# Altium PCB miniBackplane.PcbDoc (part 11 of 24)
Units mil, origin at the board's own origin, x right, y up, seen from the top; angles counter-clockwise.
Board outline 17285.63 x 8582.68 mil, 6 copper layers (Top Layer, Mid-Layer 1, GND, PWR, Mid-Layer 2, Bottom Layer), stack 62.362 mil thick; 519 components, 474 nets, 2434 pads, 1493 vias.
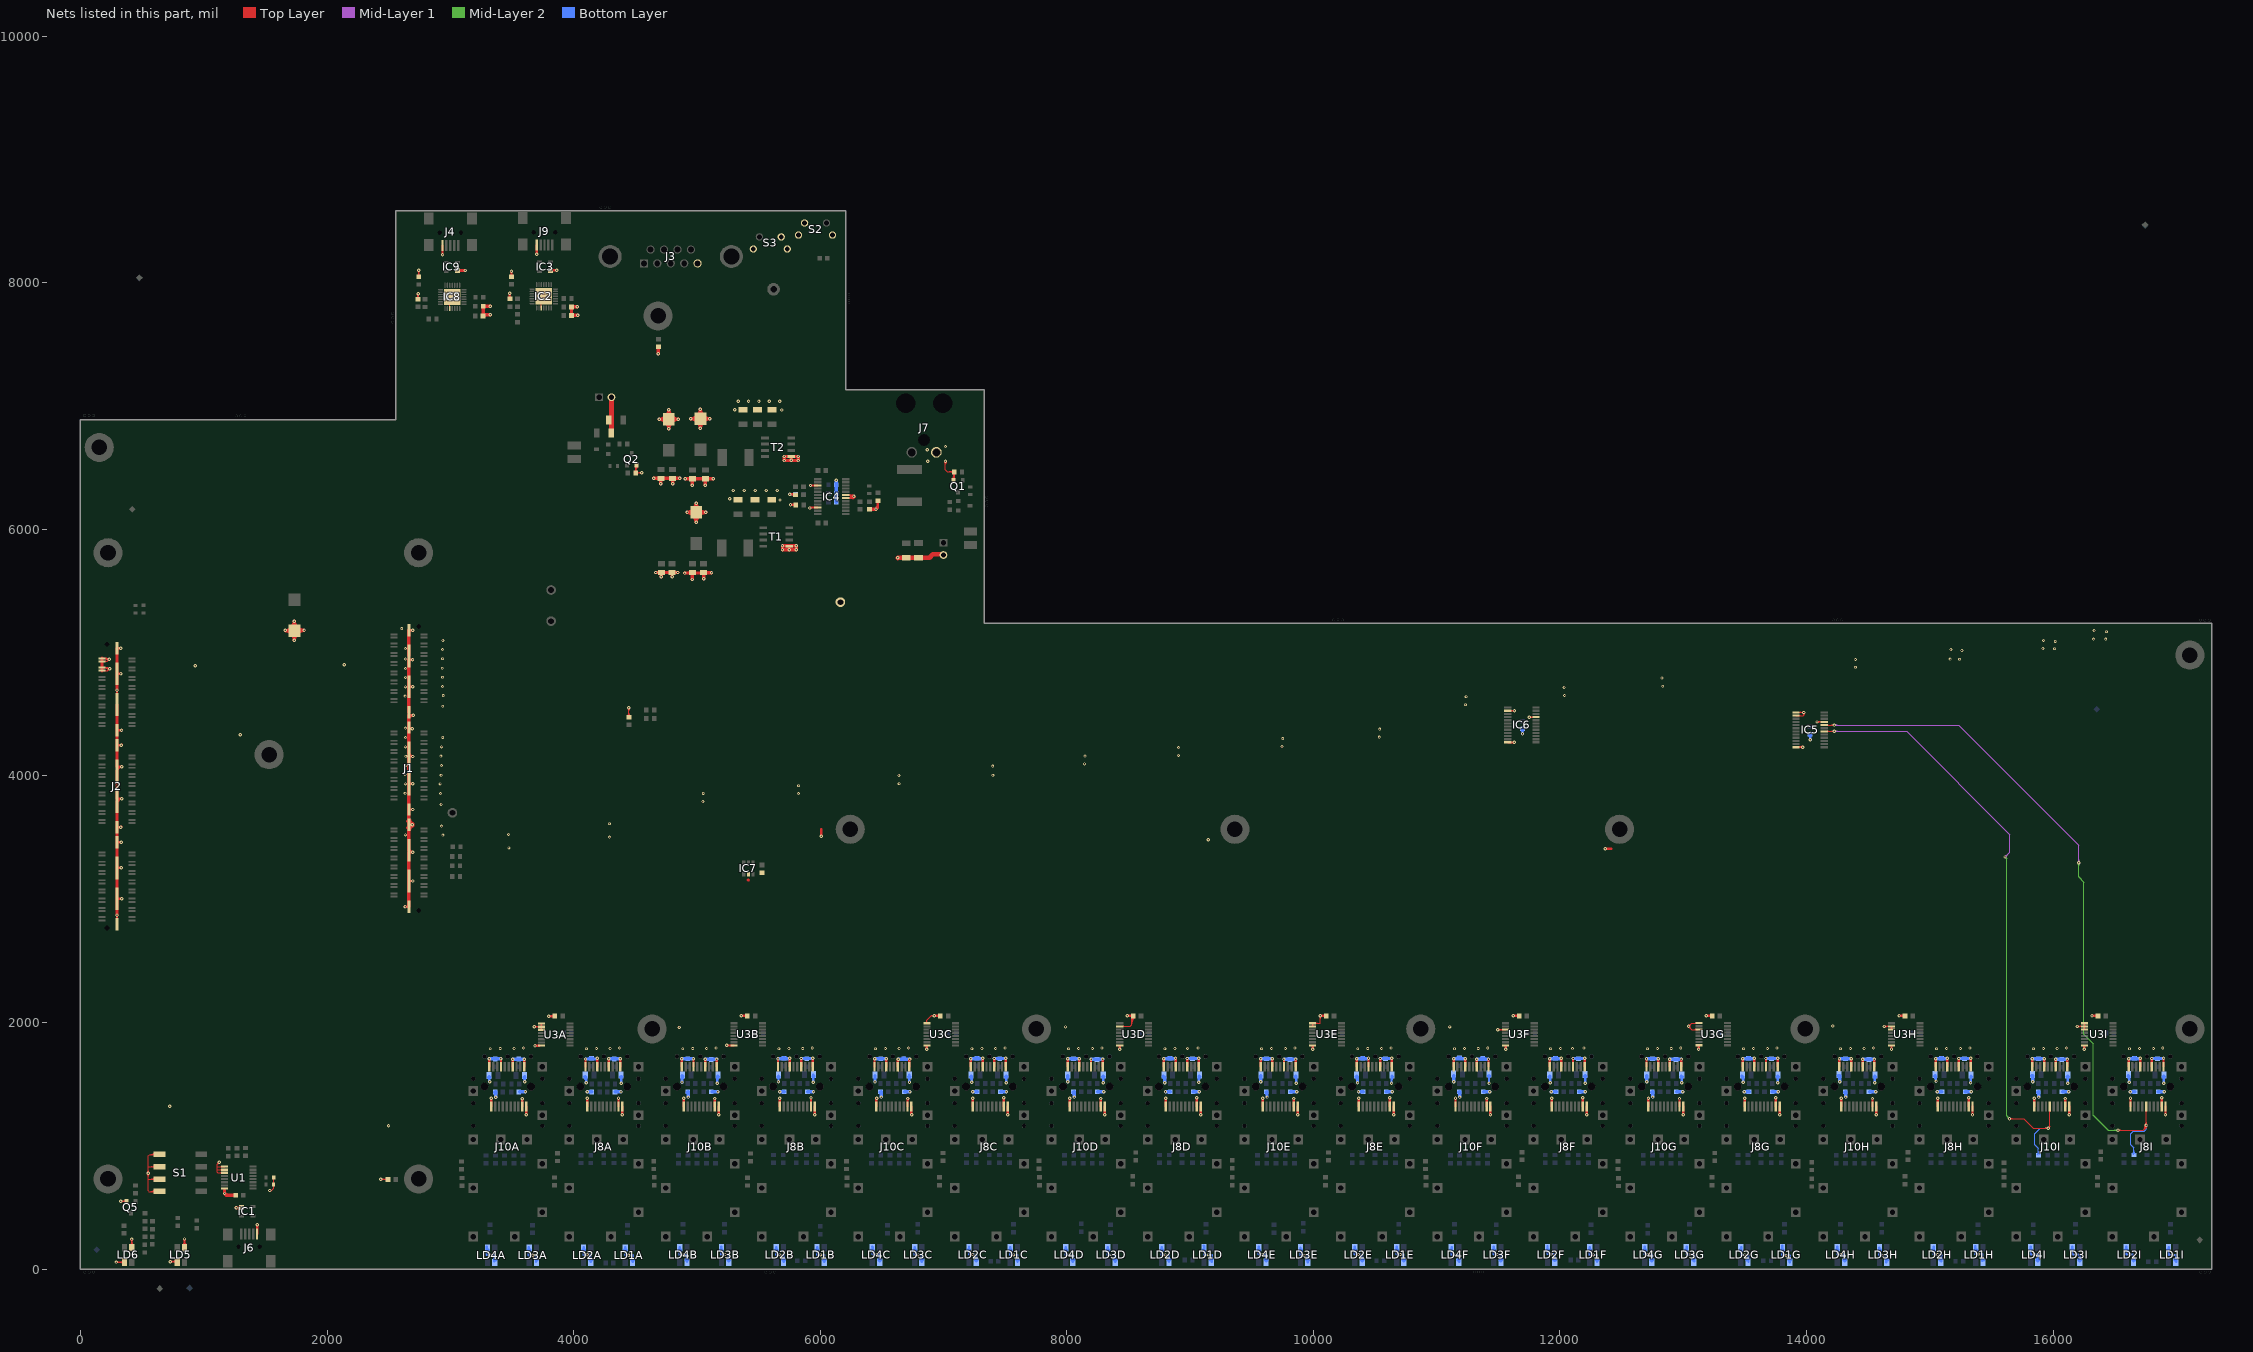
[diagram p15: the nets of this part, all layers, seen from the top]

## Via types
v1: diameter 27.56, hole 11.81, Top Layer to Bottom Layer, tented both sides, 1347 vias
v2: diameter 23.62, hole 11.81, Top Layer to Bottom Layer, tented both sides, 146 vias

## Nets (pads, with @x,y where several pads share a name; then routed paths per layer and width w, separated by ;. In a path a pad name is that pad's centre, name@x,y a point inside that pad or via, vN(x,y) a via of type N, cw(c..) or ccw(c..) an arc to the next point about the centre after c; other vN are vias at no path point) (continued)
GND: (continued)
  Top Layer w27.56: J2.89@174.94,4853.79 J2.91@174.94,4878.79 J2.93@174.94,4928.79 J2.95@174.94,4953.79 ; v1(296.44,2868.91) J2.98@296.44,3003.79 J2.99@296.44,3253.79 J2.100@296.44,3461.29 J2.101@296.44,3583.79 J2.102@296.44,3791.29 ; J2.102@296.44,3814.96 J2.103@296.44,4041.29 ; J2.103@296.44,4072.03 J2.104@296.44,4248.79 J2.105@296.44,4371.29 J2.106@296.44,4578.79 ; v1(296.44,4695.68) J2.107@296.44,4828.79 J2.108@296.44,5036.29 ; 1168.86,641 v1(1168.86,613.14) ; C58.2@1258.5,599 1183,599 v1(1168.86,613.14) ; v1(1262.81,497.92) IC1.1@1307.06,497.92 ; v1(1734.26,5255.53) C27.2@1734.26,5179.94 ; C27.2@1734.63,5176.88 v1@1663.65,5176.88 ; J1.105@2652.79,3578.99 ccw(c2661.8,3598.92) 2680.26,3587.17 ; J1.105@2652.79,3631 cw(c2661.8,3611.07) 2680.26,3622.82 ; J1.105@2664.15,3604.1 ccw(c2675.04,3628.18) v1@2697.33,3613.98 ; J1.105@2664.15,3605.89 cw(c2675.04,3581.81) v1@2697.33,3596 ; J1.108@2664.55,2939.99 J1.107@2664.55,3147.49 J1.106@2664.55,3382.69 ; J1.106@2664.55,3397.49 J1.105@2664.55,3604.99 J1.104@2664.55,3727.49 J1.103@2664.55,3934.99 J1.102@2664.55,4158.28 ; J1.102@2664.55,4184.99 J1.101@2664.55,4382.69 ; J1.101@2664.55,4392.49 J1.100@2664.55,4492.93 ; J1.100@2664.55,4514.99 J1.99@2664.55,4722.49 J1.98@2664.55,4941.75 ; J1.98@2664.55,4972.49 J1.97@2664.55,5179.99 ; IC9.1@3057.28,8099.47 v1(3122.47,8099.47) ; C57.2@3267.2,7735.6 ccw(c3274.79,7756.12) 3285.72,7737.17 ; v1(3325,7740) 3266.5,7740 C56.1@3266.5,7809 v1(3325,7809) ; C16.1@3983.45,7802.21 C17.2@3983.45,7735.28 v1(4034.63,7735.28) ; C16.1@3987.39,7806.15 v1(4030.69,7806.15) ; v1(4649.33,6413.67) C36.2@4708.39,6413.67 ; v1(4665.08,5649.89) C23.2@4712.32,5649.89 ; v1(4688,7424) L7.1@4688,7475.18 ; v1(4708.39,6370.36) C36.2@4708.39,6413.67 ; v1(4712.32,5614.46) C23.2@4712.32,5649.89 ; v1(4802.87,6370.36) C35.2@4802.87,6413.67 ; v1(4846.18,5649.89) C22.2@4798.94,5649.89 C23.2@4712.32,5649.89 ; v1(4861.93,6413.67) C35.2@4802.87,6413.67 ; v1(4901.83,5645.5) C21.2@4963.83,5645.5 ; v1(4906.57,6410.5) C34.1@4963.83,6410.5 ; v1(4963.83,5593.24) C21.2@4963.83,5645.5 ; v1(4963.83,6358.24) C34.1@4963.83,6410.5 ; v1(5054.2,5597.87) 5054.2,5645.5 C21.2@4963.83,5645.5 ; C24.2@5054.2,5647.44 v1(5118.76,5647.44) ; v1(5068.83,6358.24) C37.2@5068.83,6410.5 ; v1(5131.57,6410.5) C37.2@5068.83,6410.5 ; v1(5750.13,5833.8) T1.1@5750.13,5865.94 ; v1(5765.13,6558.8) T2.1@5765.13,6590.94 ; R35.2@6399.2,6161.38 v1(6452.7,6161.38) ; v1(1168.86,613.14) ccw(c1203,647.28) 1203,599 cw(c1203,647.28) v1(1168.86,613.14) ; v1@1663.65,5176.88 ccw(c1663.65,5238.32) 1710.63,5198.73 cw(c1663.65,5238.32) v1@1663.65,5176.88 ; v1@1663.65,5176.88 cw(c1663.65,5114.4) 1710.91,5155.27 ccw(c1663.65,5114.4) v1@1663.65,5176.88 ; v1@1734.26,5101.24 ccw(c1669.74,5101.24) 1713.52,5148.64 cw(c1669.74,5101.24) v1@1734.26,5101.24 ; v1@1734.26,5101.24 cw(c1791.66,5101.24) 1756.64,5146.71 ccw(c1791.66,5101.24) v1@1734.26,5101.24 ; v1(1734.26,5101.27) C27.2@1734.26,5179.94 ; C27.2@1734.26,5179.94 v1(1813.68,5179.94) ; v1(1734.26,5255.53) ccw(c1796.69,5255.52) 1757.32,5207.07 cw(c1796.69,5255.52) v1(1734.26,5255.53) ; v1(1734.26,5255.53) cw(c1664.08,5255.52) 1712.93,5205.13 ccw(c1664.08,5255.52) v1(1734.26,5255.53) ; v1(1813.68,5179.94) ccw(c1813.68,5104.41) 1760,5157.56 cw(c1813.68,5104.41) v1(1813.68,5179.94) ; v1(1813.68,5179.94) cw(c1813.68,5250.44) 1761.15,5203.42 ccw(c1813.68,5250.44) v1(1813.68,5179.94) ; v1(2691.61,3604.99) cw(c2756.92,3670.31) 2664.55,3670.31 ccw(c2756.92,3670.31) v1(2691.61,3604.99) ; v1(2691.61,3604.99) ccw(c2756.92,3539.68) 2664.55,3539.68 cw(c2756.92,3539.68) v1(2691.61,3604.99) ; v1(4694.24,6892.99) ccw(c4694.25,6963.07) 4746.45,6916.31 cw(c4694.25,6963.07) v1(4694.24,6892.99) ; v1(4694.24,6892.99) cw(c4694.25,6818.59) 4747.45,6870.59 ccw(c4694.25,6818.59) v1(4694.24,6892.99) ; v1(4694.24,6892.99) C40.2@4772.92,6892.99 ; C36.2@4708.39,6413.67 C35.2@4802.87,6413.67 ; v1(4772.92,6814.31) ccw(c4706.92,6814.29) 4749.69,6864.56 cw(c4706.92,6814.29) v1(4772.92,6814.31) ; v1(4772.92,6814.31) cw(c4845.31,6814.29) 4794.75,6866.1 ccw(c4845.31,6814.29) v1(4772.92,6814.31) ; v1(4772.92,6814.31) C40.2@4772.92,6892.99 ; C40.2@4772.92,6892.99 v1(4847.34,6892.99) ; C40.2@4772.92,6892.99 v1(4772.92,6968.57) ; v1(4772.92,6968.57) ccw(c4833.58,6968.56) 4793.5,6923.04 cw(c4833.58,6968.56) v1(4772.92,6968.57) ; v1(4772.92,6968.57) cw(c4717.61,6968.57) 4751.11,6924.55 ccw(c4717.61,6968.57) v1(4772.92,6968.57) ; v1(4847.34,6892.99) ccw(c4847.34,6821.36) 4795.57,6870.86 cw(c4847.34,6821.36) v1(4847.34,6892.99) ; v1(4847.34,6892.99) cw(c4847.34,6960.45) 4796.56,6916.02 ccw(c4847.34,6960.45) v1(4847.34,6892.99) ; v1(4920.15,6136.92) ccw(c4920.15,6201.29) 4968.63,6158.94 cw(c4920.15,6201.29) v1(4920.15,6136.92) ; v1(4920.15,6136.92) cw(c4920.15,6072.55) 4968.63,6114.9 ccw(c4920.15,6072.55) v1(4920.15,6136.92) ; v1(4920.15,6136.92) C26.2@4993.83,6136.92 ; v1(4950.15,6896.92) ccw(c4950.15,6972.67) 5004.72,6920.13 cw(c4950.15,6972.67) v1(4950.15,6896.92) ; v1(4950.15,6896.92) cw(c4950.15,6821.17) 5004.72,6873.71 ccw(c4950.15,6821.17) v1(4950.15,6896.92) ; v1(4950.15,6896.92) C39.2@5028.83,6896.92 ; C34.1@4963.83,6410.5 C37.2@5068.83,6410.5 ; v1(4993.83,6058.24) ccw(c4927.1,6058.25) 4971.54,6108.02 cw(c4927.1,6058.25) v1(4993.83,6058.24) ; v1(4993.83,6058.24) cw(c5060.56,6058.25) 5016.12,6108.02 ccw(c5060.56,6058.25) v1(4993.83,6058.24) ; v1(4993.83,6058.24) C26.2@4993.83,6136.92 ; C26.2@4993.83,6136.92 v1(4993.83,6212.51) ; C26.2@4993.83,6136.92 v1(5073.25,6136.92) ; v1(4993.83,6212.51) ccw(c5053.78,6212.5) 5015.31,6166.52 cw(c5053.78,6212.5) v1(4993.83,6212.51) ; v1(4993.83,6212.51) cw(c4933.87,6212.5) 4972.35,6166.52 ccw(c4933.87,6212.5) v1(4993.83,6212.51) ; v1(5028.83,6818.24) ccw(c4962.1,6818.25) 5006.54,6868.02 cw(c4962.1,6818.25) v1(5028.83,6818.24) ; v1(5028.83,6818.24) cw(c5095.56,6818.25) 5051.12,6868.02 ccw(c5095.56,6818.25) v1(5028.83,6818.24) ; v1(5028.83,6818.24) C39.2@5028.83,6896.92 ; C39.2@5028.83,6896.92 v1(5028.83,6972.51) ; C39.2@5028.83,6896.92 v1(5103.25,6896.92) ; v1(5028.83,6972.51) ccw(c5088.78,6972.5) 5050.31,6926.52 cw(c5088.78,6972.5) v1(5028.83,6972.51) ; v1(5028.83,6972.51) cw(c4968.87,6972.5) 5007.35,6926.52 ccw(c4968.87,6972.5) v1(5028.83,6972.51) ; v1(5073.25,6136.92) ccw(c5073.24,6059.43) 5017.78,6113.55 cw(c5073.24,6059.43) v1(5073.25,6136.92) ; v1(5073.25,6136.92) cw(c5073.24,6214.42) 5017.78,6160.29 ccw(c5073.24,6214.42) v1(5073.25,6136.92) ; v1(5103.25,6896.92) ccw(c5103.24,6830.92) 5053.86,6874.72 cw(c5103.24,6830.92) v1(5103.25,6896.92) ; v1(5103.25,6896.92) cw(c5103.24,6962.92) 5053.86,6919.13 ccw(c5103.24,6962.92) v1(5103.25,6896.92) ; T1.1@5750.13,5865.94 v1(5694.2,5865.94) v1(5694.2,5832.87) v1(5806.13,5832.87) v1(5806.13,5865.94) T1.1@5750.13,5865.94 ; T2.1@5765.13,6590.94 v1(5709.2,6590.94) v1(5709.2,6557.87) v1(5821.13,6557.87) v1(5821.13,6590.94) T2.1@5765.13,6590.94 ; C57.2@3268.98,7727.5 cw(c3299.14,7697.34) 3299.14,7740 ccw(c3299.14,7697.34) C57.2@3268.98,7727.5 ; C16.1@3986.93,7799.72 cw(c4002.46,7784.19) 4002.46,7806.15 ccw(c4002.46,7784.19) C16.1@3986.93,7799.72 ; 4929.72,5645.5 ccw(c4929.72,5677.11) 4952.07,5654.76 cw(c4929.72,5677.11) 4929.72,5645.5 ; C21.2@4975.59,5654.76 ccw(c4997.94,5677.11) 4997.94,5645.5 cw(c4997.94,5677.11) C21.2@4975.59,5654.76 ; 5020.09,5645.5 ccw(c5020.09,5677.11) 5042.44,5654.76 cw(c5020.09,5677.11) 5020.09,5645.5 ; C24.2@5065.96,5654.76 ccw(c5083.63,5672.44) 5083.63,5647.44 cw(c5083.63,5672.44) C24.2@5065.96,5654.76
  Top Layer w39.37: C45.2@4307.06,6782 J5.2@4307,7072 ; v1(6629,5768) 6630.94,5769.94 C44.2@6699,5769.94 6886.65,5769.94 6914,5797.3 J11.2@6994.3,5797.3
  Bottom Layer w19.68: LD4A.1@3297.26,179.45 3297.26,116.46 3318.91,116.46 v1(3322.85,112.52) 3354.35,112.52 3356.31,110.55 LD4A.4@3356.31,61.34 ; v1@3314.98,1518.03 v1(3318.91,1518.03) 3314.98,1521.96 C11A.2@3314.98,1565.28 ; v1(3602.38,1518.03) C15A.1@3602.38,1565.28 ; LD3A.1@3635.84,175.51 3637.81,173.54 3637.81,112.52 v1(3669.31,112.52) 3692.93,112.52 3694.9,110.55 LD3A.4@3694.9,57.4 ; LD2A.1@4080.72,175.51 4082.69,173.54 4082.69,116.46 v1(4110.25,116.46) 4137.81,116.46 4139.78,114.49 LD2A.4@4139.78,57.4 ; C4A.2@4094.5,1565.28 4102.38,1557.4 v1(4102.38,1510.16) ; 4097.55,1540.06 cw(c4109.32,1546.86) C4A.2@4101.07,1557.65 ; v1@4385.84,1518.03 C8A.1@4385.84,1565.28 ; LD1A.1@4419.31,175.51 LD1A.1@4419.31,171.57 4419.31,114.49 4421.28,112.52 v1(4448.83,112.52) 4476.39,112.52 4478.36,110.55 LD1A.4@4478.36,57.4 ; LD4B.1@4860.65,177.17 LD4B.1@4860.65,173.23 4860.65,116.14 4862.61,114.17 v1(4890.17,114.17) 4917.73,114.17 4919.7,112.2 LD4B.4@4919.7,59.05 ; v1(5165.76,1507.87) 5165.76,1562.99 C15B.1@5169.7,1566.93 ; LD3B.1@5199.23,181.1 LD3B.1@5199.23,173.23 5199.23,120.08 5201.2,118.11 v1(5228.76,118.11) 5256.31,118.11 5258.28,116.14 LD3B.4@5258.28,62.99 ; LD2B.1@5644.11,177.17 LD2B.1@5644.11,173.23 5644.11,116.14 5646.08,114.17 v1(5673.64,114.17) 5701.2,114.17 5703.17,112.2 LD2B.4@5703.17,59.05 ; v1(5661.83,1519.68) C4B.2@5661.83,1566.93 ; v1(5754.2,6282.87) C33.1@5802.7,6282.87 ; v1(5945.29,1515.75) C8B.1@5945.29,1574.8 ; LD1B.1@5974.82,177.17 5974.82,116.14 5976.79,114.17 v1(6004.35,114.17) 6031.91,114.17 6033.87,112.2 LD1B.4@6033.87,59.05 ; LD4C.1@6423.64,181.11 6425.61,179.14 6425.61,118.12 v1(6457.1,118.12) 6480.72,118.12 6482.69,116.15 LD4C.4@6482.69,63 ; v1@6722.44,1516.73 C15C.1@6722.44,1574.8 ; LD3C.1@6766.16,177.17 LD3C.1@6766.16,173.24 6766.16,116.15 6768.13,114.18 v1(6795.68,114.18) 6823.24,114.18 6825.21,112.21 LD3C.4@6825.21,59.06 ; LD2C.1@7207.1,181.11 LD2C.1@7207.1,173.24 7207.1,120.09 7209.07,118.12 v1(7236.63,118.12) 7264.19,118.12 7266.16,116.15 LD2C.4@7266.16,63 ; C4C.2@7224.82,1566.94 7228.76,1563 v1(7228.76,1515.76) ; v1(7508.28,1511.82) C8C.1@7508.28,1566.94 ; LD1C.1@7541.75,177.17 LD1C.1@7541.75,173.24 7541.75,116.15 7543.72,114.18 v1(7571.28,114.18) 7598.83,114.18 7600.8,112.21 LD1C.4@7600.8,59.06 ; LD4D.1@7990.57,177.17 LD4D.1@7990.57,173.24 7990.57,116.15 7992.54,114.18 v1(8020.09,114.18) 8047.65,114.18 8049.62,112.21 LD4D.4@8049.62,59.06 ; v1(8295.68,1511.82) C15D.1@8295.68,1566.94 ; LD3D.1@8333.09,177.17 8333.09,116.15 8335.05,114.18 v1(8362.61,114.18) 8390.17,114.18 8392.14,112.21 LD3D.4@8392.14,59.06 ; LD2D.1@8770.09,177.17 LD2D.1@8770.09,173.24 8770.09,116.15 8772.06,114.18 v1(8799.62,114.18) 8827.18,114.18 8829.15,112.21 LD2D.4@8829.15,59.06 ; v1(9071.28,1515.76) 9071.28,1563 C8D.1@9075.21,1566.94 ; LD1D.1@9112.61,188.98 LD1D.1@9114.58,187.02 ; LD1D.1@9116.55,177.17 9116.55,116.15 9118.52,114.18 v1(9146.08,114.18) 9173.64,114.18 9175.61,112.21 LD1D.4@9175.61,59.06 ; LD4E.1@9557.5,181.11 LD4E.1@9557.5,173.24 9557.5,120.09 9559.46,118.12 v1(9587.02,118.12) 9614.58,118.12 9616.55,116.15 LD4E.4@9616.55,63 ; C15E.1@9858.68,1566.94 9862.61,1563 v1(9862.61,1507.88) ; LD3E.1@9896.08,173.24 9896.08,112.21 9898.05,110.24 v1(9925.61,110.24) 9953.17,110.24 9955.13,108.28 LD3E.4@9955.13,55.13 ; LD2E.1@10337.02,181.11 LD2E.1@10337.02,173.24 10337.02,120.09 10338.99,118.12 v1(10366.55,118.12) 10394.11,118.12 10396.08,116.15 LD2E.4@10396.08,63 ; C4E.2@10350.8,1566.94 10358.68,1559.06 v1(10358.68,1511.82) ; 10353.85,1541.73 cw(c10365.62,1548.52) C4E.2@10357.37,1559.32 ; v1(10634.27,1507.88) 10634.27,1563 C8E.1@10638.2,1566.94 ; LD1E.1@10675.61,181.11 10675.61,120.09 10677.57,118.12 v1(10705.13,118.12) 10732.69,118.12 10734.66,116.15 LD1E.4@10734.66,63 ; LD4F.1@11123.99,177.17 11123.99,116.15 11125.96,114.18 v1(11153.52,114.18) 11181.08,114.18 11183.05,112.21 LD4F.4@11183.05,59.06 ; v1(11425.17,1507.88) C15F.1@11425.17,1570.87 ; LD3F.1@11462.57,181.11 LD3F.1@11462.57,173.24 11462.57,120.09 11464.54,118.12 v1(11492.1,118.12) 11519.66,118.12 11521.63,116.15 LD3F.4@11521.63,63 ; v1(11696.57,4342.91) C2.1@11696.57,4381.42 ; LD2F.1@11899.58,185.05 LD2F.1@11899.58,173.24 11899.58,124.02 11901.55,122.05 v1(11929.11,122.05) 11956.67,122.05 11958.64,120.09 LD2F.4@11958.64,66.94 ; C4F.2@11917.3,1566.94 11922.08,1562.16 v1(11922.08,1512.66) ; v1(12204.7,1507.88) C8F.1@12204.7,1570.87 ; LD1F.1@12242.1,177.17 LD1F.1@12242.1,173.24 12242.1,116.15 12244.07,114.18 v1(12271.63,114.18) 12299.19,114.18 12301.16,112.21 LD1F.4@12301.16,59.06 ; LD4G.1@12686.98,181.11 LD4G.1@12686.98,173.24 12686.98,120.09 12688.95,118.12 v1(12716.51,118.12) 12744.07,118.12 12746.04,116.15 LD4G.4@12746.04,63 ; C15G.1@12984.23,1566.94 12988.17,1563 v1(12988.17,1511.82) ; LD3G.1@13029.5,181.11 13029.5,120.09 13031.47,118.12 v1(13059.03,118.12) 13086.59,118.12 13088.56,116.15 LD3G.4@13088.56,63 ; LD2G.1@13470.45,177.17 13470.45,116.15 13472.42,114.18 v1(13499.98,114.18) 13527.54,114.18 13529.5,112.21 LD2G.4@13529.5,59.06 ; C4G.2@13476.35,1566.94 13488.17,1555.13 v1(13488.17,1515.76) ; 13483.34,1541.73 cw(c13495.1,1548.52) C4G.2@13486.86,1559.32 ; v1(13767.69,1511.82) C8G.1@13767.69,1566.94 ; LD1G.1@13805.09,188.98 LD1G.1@13805.09,173.24 13805.09,112.21 13807.06,110.24 v1(13834.62,110.24) 13862.18,110.24 13864.15,108.28 LD1G.4@13864.15,55.13 ; v1(14029.09,4293.54) C1.1@14029.09,4337.05 ; LD4H.1@14249.98,181.11 LD4H.1@14249.98,173.24 14249.98,120.09 14251.94,118.12 v1(14279.5,118.12) 14307.06,118.12 14309.03,116.15 LD4H.4@14309.03,63 ; v1(14555.09,1511.82) C15H.1@14555.09,1566.94 ; LD3H.1@14588.56,173.24 14588.56,112.21 14590.53,110.24 v1(14618.09,110.24) 14645.65,110.24 14647.61,108.28 LD3H.4@14647.61,55.13 ; LD2H.1@15033.44,181.11 15033.44,120.09 15035.41,118.12 v1(15062.97,118.12) 15090.53,118.12 15092.5,116.15 LD2H.4@15092.5,63 ; C4H.2@15043.28,1570.87 15050.69,1563.46 v1(15050.69,1523.62) ; 15045.92,1546.37 cw(c15056.89,1552.71) C4H.2@15049.55,1563.03 ; v1(15330.68,1511.82) 15330.68,1563 C8H.1@15334.62,1566.94 ; LD1H.1@15368.09,185.05 15368.09,124.02 15370.05,122.05 v1(15397.61,122.05) 15425.17,122.05 15427.14,120.09 LD1H.4@15427.14,66.94 ; LD4I.1@15817.97,181.11 LD4I.1@15817.97,173.24 15817.97,120.09 15819.94,118.12 v1(15847.5,118.12) 15875.06,118.12 15877.02,116.15 LD4I.4@15877.02,63 ; v1(16119.15,1507.88) C15I.1@16119.15,1566.94 ; LD3I.1@16156.55,181.11 LD3I.1@16156.55,173.24 16156.55,120.09 16158.52,118.12 v1(16186.08,118.12) 16213.64,118.12 16215.61,116.15 LD3I.4@16215.61,63 ; LD2I.1@16593.56,181.11 LD2I.1@16593.56,173.24 16593.56,120.09 16595.53,118.12 v1(16623.09,118.12) 16650.65,118.12 16652.61,116.15 LD2I.4@16652.61,63 ; C4I.2@16611.28,1570.87 16619.12,1563.03 v1(16619.12,1515.75) ; 16614.29,1545.71 cw(c16626,1552.47) C4I.2@16617.82,1563.24 ; v1(16898.67,1507.88) C8I.1@16898.67,1566.93 ; LD1I.1@16940.02,177.17 16940.02,116.15 16941.98,114.18 v1(16969.54,114.18) 16997.1,114.18 16999.07,112.21 LD1I.4@16999.07,59.06 ; 3314.98,1536.18 ccw(c3288.84,1536.18) 3307.32,1554.67 cw(c3288.84,1536.18) 3314.98,1536.18 ; 3314.98,1536.18 cw(c3341.11,1536.18) 3322.63,1554.67 ccw(c3341.11,1536.18) 3314.98,1536.18 ; 3602.38,1536.18 ccw(c3576.24,1536.18) 3594.72,1554.67 cw(c3576.24,1536.18) 3602.38,1536.18 ; 3602.38,1536.18 cw(c3628.52,1536.18) 3610.03,1554.67 ccw(c3628.52,1536.18) 3602.38,1536.18 ; v1@4098.97,1512.13 ccw(c4082.35,1521.72) 4100.88,1526.68 ; v1@4098.97,1512.13 ccw(c4082.35,1521.72) 4100.88,1526.68 ; v1@4098.97,1512.13 ccw(c4082.35,1521.72) 4100.88,1526.68 ; 4139.78,89.85 ccw(c4168.29,89.85) 4148.13,69.69 cw(c4168.29,89.85) 4139.78,89.85 ; 4139.78,89.85 cw(c4111.27,89.85) 4131.43,69.69 ccw(c4111.27,89.85) 4139.78,89.85 ; 4385.84,1540.12 ccw(c4359.7,1540.12) 4378.19,1558.6 cw(c4359.7,1540.12) 4385.84,1540.12 ; 4385.84,1540.12 cw(c4411.98,1540.12) 4393.5,1558.6 ccw(c4411.98,1540.12) 4385.84,1540.12 ; 4419.31,135.19 ccw(c4390.79,135.19) 4410.96,155.35 cw(c4390.79,135.19) 4419.31,135.19 ; 4419.31,135.19 cw(c4447.82,135.19) 4427.66,155.35 ccw(c4447.82,135.19) 4419.31,135.19 ; 4478.36,89.85 ccw(c4506.88,89.85) 4486.71,69.69 cw(c4506.88,89.85) 4478.36,89.85 ; 4478.36,89.85 cw(c4449.85,89.85) 4470.01,69.69 ccw(c4449.85,89.85) 4478.36,89.85 ; 4860.65,136.84 ccw(c4832.13,136.84) 4852.29,157 cw(c4832.13,136.84) 4860.65,136.84 ; 4860.65,136.84 cw(c4889.16,136.84) 4869,157 ccw(c4889.16,136.84) 4860.65,136.84 ; 4919.7,91.51 ccw(c4948.21,91.51) 4928.05,71.34 cw(c4948.21,91.51) 4919.7,91.51 ; 4919.7,91.51 cw(c4891.19,91.51) 4911.35,71.34 ccw(c4891.19,91.51) 4919.7,91.51 ; 5199.23,136.84 ccw(c5170.71,136.84) 5190.88,157 cw(c5170.71,136.84) 5199.23,136.84 ; 5199.23,136.84 cw(c5227.74,136.84) 5207.58,157 ccw(c5227.74,136.84) 5199.23,136.84 ; 5258.28,91.51 ccw(c5286.8,91.51) 5266.64,71.34 cw(c5286.8,91.51) 5258.28,91.51 ; 5258.28,91.51 cw(c5229.77,91.51) 5249.93,71.34 ccw(c5229.77,91.51) 5258.28,91.51 ; 5644.11,136.84 ccw(c5615.6,136.84) 5635.76,157 cw(c5615.6,136.84) 5644.11,136.84 ; 5644.11,136.84 cw(c5672.62,136.84) 5652.46,157 ccw(c5672.62,136.84) 5644.11,136.84 ; 5661.83,1541.78 ccw(c5635.69,1541.78) 5654.17,1560.26 cw(c5635.69,1541.78) 5661.83,1541.78 ; 5661.83,1541.78 cw(c5687.96,1541.78) 5669.48,1560.26 ccw(c5687.96,1541.78) 5661.83,1541.78 ; 5703.17,91.51 ccw(c5731.68,91.51) 5711.52,71.34 cw(c5731.68,91.51) 5703.17,91.51 ; 5703.17,91.51 cw(c5674.65,91.51) 5694.81,71.34 ccw(c5674.65,91.51) 5703.17,91.51 ; 5781.31,6282.87 ccw(c5781.31,6304.26) 5796.44,6289.14 cw(c5781.31,6304.26) 5781.31,6282.87 ; 5781.31,6282.87 cw(c5781.31,6261.49) 5796.44,6276.61 ccw(c5781.31,6261.49) 5781.31,6282.87 ; 5945.29,1545.71 ccw(c5919.15,1545.71) 5937.64,1564.19 cw(c5919.15,1545.71) 5945.29,1545.71 ; 5945.29,1545.71 cw(c5971.43,1545.71) 5952.95,1564.19 ccw(c5971.43,1545.71) 5945.29,1545.71 ; 5974.82,136.84 ccw(c5946.3,136.84) 5966.47,157 cw(c5946.3,136.84) 5974.82,136.84 ; 5974.82,136.84 cw(c6003.33,136.84) 5983.17,157 ccw(c6003.33,136.84) 5974.82,136.84 ; 6033.87,91.51 ccw(c6062.39,91.51) 6042.23,71.34 cw(c6062.39,91.51) 6033.87,91.51 ; 6033.87,91.51 cw(c6005.36,91.51) 6025.52,71.34 ccw(c6005.36,91.51) 6033.87,91.51 ; 6482.69,91.51 ccw(c6511.21,91.51) 6491.04,71.35 cw(c6511.21,91.51) 6482.69,91.51 ; 6482.69,91.51 cw(c6454.18,91.51) 6474.34,71.35 ccw(c6454.18,91.51) 6482.69,91.51 ; 6722.44,1541.78 ccw(c6696.3,1541.78) 6714.79,1560.26 cw(c6696.3,1541.78) 6722.44,1541.78 ; 6722.44,1541.78 cw(c6748.58,1541.78) 6730.1,1560.26 ccw(c6748.58,1541.78) 6722.44,1541.78 ; 6766.16,136.85 ccw(c6737.64,136.85) 6757.81,157.01 cw(c6737.64,136.85) 6766.16,136.85 ; 6766.16,136.85 cw(c6794.67,136.85) 6774.51,157.01 ccw(c6794.67,136.85) 6766.16,136.85 ; 6825.21,91.51 ccw(c6853.73,91.51) 6833.56,71.35 cw(c6853.73,91.51) 6825.21,91.51 ; 6825.21,91.51 cw(c6796.7,91.51) 6816.86,71.35 ccw(c6796.7,91.51) 6825.21,91.51 ; 7207.1,136.85 ccw(c7178.59,136.85) 7198.75,157.01 cw(c7178.59,136.85) 7207.1,136.85 ; 7207.1,136.85 cw(c7235.62,136.85) 7215.45,157.01 ccw(c7235.62,136.85) 7207.1,136.85 ; 7266.16,91.51 ccw(c7294.67,91.51) 7274.51,71.35 cw(c7294.67,91.51) 7266.16,91.51 ; 7266.16,91.51 cw(c7237.64,91.51) 7257.81,71.35 ccw(c7237.64,91.51) 7266.16,91.51 ; 7508.28,1541.78 ccw(c7482.15,1541.78) 7500.63,1560.27 cw(c7482.15,1541.78) 7508.28,1541.78 ; 7508.28,1541.78 cw(c7534.42,1541.78) 7515.94,1560.27 ccw(c7534.42,1541.78) 7508.28,1541.78 ; 7541.75,136.85 ccw(c7513.23,136.85) 7533.4,157.01 cw(c7513.23,136.85) 7541.75,136.85 ; 7541.75,136.85 cw(c7570.26,136.85) 7550.1,157.01 ccw(c7570.26,136.85) 7541.75,136.85 ; 7600.8,91.51 ccw(c7629.32,91.51) 7609.15,71.35 cw(c7629.32,91.51) 7600.8,91.51 ; 7600.8,91.51 cw(c7572.29,91.51) 7592.45,71.35 ccw(c7572.29,91.51) 7600.8,91.51 ; 7990.57,136.85 ccw(c7962.05,136.85) 7982.22,157.01 cw(c7962.05,136.85) 7990.57,136.85 ; 7990.57,136.85 cw(c8019.08,136.85) 7998.92,157.01 ccw(c8019.08,136.85) 7990.57,136.85 ; 8049.62,91.51 ccw(c8078.14,91.51) 8057.97,71.35 cw(c8078.14,91.51) 8049.62,91.51 ; 8049.62,91.51 cw(c8021.11,91.51) 8041.27,71.35 ccw(c8021.11,91.51) 8049.62,91.51 ; 8295.69,1541.78 ccw(c8269.55,1541.78) 8288.03,1560.27 cw(c8269.55,1541.78) 8295.69,1541.78 ; 8295.68,1541.78 cw(c8321.82,1541.78) 8303.34,1560.27 ccw(c8321.82,1541.78) 8295.68,1541.78 ; 8333.09,136.85 ccw(c8304.57,136.85) 8324.73,157.01 cw(c8304.57,136.85) 8333.09,136.85 ; 8333.09,136.85 cw(c8361.6,136.85) 8341.44,157.01 ccw(c8361.6,136.85) 8333.09,136.85 ; 8392.14,91.51 ccw(c8420.66,91.51) 8400.49,71.35 cw(c8420.66,91.51) 8392.14,91.51 ; 8392.14,91.51 cw(c8363.63,91.51) 8383.79,71.35 ccw(c8363.63,91.51) 8392.14,91.51 ; 8770.09,136.85 ccw(c8741.58,136.85) 8761.74,157.01 cw(c8741.58,136.85) 8770.09,136.85 ; 8770.09,136.85 cw(c8798.61,136.85) 8778.45,157.01 ccw(c8798.61,136.85) 8770.09,136.85 ; 8829.15,91.51 ccw(c8857.66,91.51) 8837.5,71.35 cw(c8857.66,91.51) 8829.15,91.51 ; 8829.15,91.51 cw(c8800.64,91.51) 8820.8,71.35 ccw(c8800.64,91.51) 8829.15,91.51 ; 9557.5,136.85 ccw(c9528.98,136.85) 9549.14,157.01 cw(c9528.98,136.85) 9557.5,136.85 ; 9557.5,136.85 cw(c9586.01,136.85) 9565.85,157.01 ccw(c9586.01,136.85) 9557.5,136.85 ; 9616.55,91.51 ccw(c9645.07,91.51) 9624.9,71.35 cw(c9645.07,91.51) 9616.55,91.51 ; 9616.55,91.51 cw(c9588.04,91.51) 9608.2,71.35 ccw(c9588.04,91.51) 9616.55,91.51 ; 9896.08,136.85 ccw(c9867.56,136.85) 9887.73,157.01 cw(c9867.56,136.85) 9896.08,136.85 ; 9896.08,136.85 cw(c9924.59,136.85) 9904.43,157.01 ccw(c9924.59,136.85) 9896.08,136.85 ; 9955.13,91.51 ccw(c9983.65,91.51) 9963.49,71.35 cw(c9983.65,91.51) 9955.13,91.51 ; 9955.13,91.51 cw(c9926.62,91.51) 9946.78,71.35 ccw(c9926.62,91.51) 9955.13,91.51 ; 10337.02,136.85 ccw(c10308.51,136.85) 10328.67,157.01 cw(c10308.51,136.85) 10337.02,136.85 ; 10337.02,136.85 cw(c10365.54,136.85) 10345.38,157.01 ccw(c10365.54,136.85) 10337.02,136.85 ; v1@10355.27,1513.79 ccw(c10338.65,1523.38) 10357.18,1528.35 ; v1@10355.27,1513.79 ccw(c10338.65,1523.38) 10357.18,1528.35 ; v1@10355.27,1513.79 ccw(c10338.65,1523.38) 10357.18,1528.35 ; 10396.08,91.51 ccw(c10424.59,91.51) 10404.43,71.35 cw(c10424.59,91.51) 10396.08,91.51 ; 10396.08,91.51 cw(c10367.56,91.51) 10387.73,71.35 ccw(c10367.56,91.51) 10396.08,91.51 ; 10675.61,136.85 ccw(c10647.09,136.85) 10667.25,157.01 cw(c10647.09,136.85) 10675.61,136.85 ; 10675.61,136.85 cw(c10704.12,136.85) 10683.96,157.01 ccw(c10704.12,136.85) 10675.61,136.85 ; 10734.66,91.51 ccw(c10763.18,91.51) 10743.01,71.35 cw(c10763.18,91.51) 10734.66,91.51 ; 10734.66,91.51 cw(c10706.15,91.51) 10726.31,71.35 ccw(c10706.15,91.51) 10734.66,91.51 ; 11425.17,1549.66 ccw(c11399.03,1549.66) 11417.52,1568.14 cw(c11399.03,1549.66) 11425.17,1549.66 ; 11425.17,1549.66 cw(c11451.31,1549.66) 11432.83,1568.14 ccw(c11451.31,1549.66) 11425.17,1549.66 ; 11462.57,136.85 ccw(c11434.06,136.85) 11454.22,157.01 cw(c11434.06,136.85) 11462.57,136.85 ; 11462.57,136.85 cw(c11491.09,136.85) 11470.93,157.01 ccw(c11491.09,136.85) 11462.57,136.85 ; 11521.63,91.51 ccw(c11550.14,91.51) 11529.98,71.35 cw(c11550.14,91.51) 11521.63,91.51 ; 11521.63,91.51 cw(c11493.12,91.51) 11513.28,71.35 ccw(c11493.12,91.51) 11521.63,91.51 ; 11696.57,4360.03 ccw(c11675.19,4360.03) 11690.31,4375.15 cw(c11675.19,4360.03) 11696.57,4360.03 ; 11696.57,4360.03 cw(c11717.96,4360.03) 11702.84,4375.15 ccw(c11717.96,4360.03) 11696.57,4360.03 ; 11899.58,136.85 ccw(c11871.07,136.85) 11891.23,157.01 cw(c11871.07,136.85) 11899.58,136.85 ; 11899.58,136.85 cw(c11928.1,136.85) 11907.93,157.01 ccw(c11928.1,136.85) 11899.58,136.85 ; 11958.64,91.51 ccw(c11987.15,91.51) 11966.99,71.35 cw(c11987.15,91.51) 11958.64,91.51 ; 11958.64,91.51 cw(c11930.12,91.51) 11950.29,71.35 ccw(c11930.12,91.51) 11958.64,91.51 ; 12204.7,1545.72 ccw(c12178.56,1545.72) 12197.05,1564.2 cw(c12178.56,1545.72) 12204.7,1545.72 ; 12204.7,1545.72 cw(c12230.84,1545.72) 12212.36,1564.2 ccw(c12230.84,1545.72) 12204.7,1545.72 ; 12242.1,136.85 ccw(c12213.59,136.85) 12233.75,157.01 cw(c12213.59,136.85) 12242.1,136.85 ; 12242.1,136.85 cw(c12270.62,136.85) 12250.45,157.01 ccw(c12270.62,136.85) 12242.1,136.85 ; 12301.16,91.51 ccw(c12329.67,91.51) 12309.51,71.35 cw(c12329.67,91.51) 12301.16,91.51 ; 12301.16,91.51 cw(c12272.64,91.51) 12292.81,71.35 ccw(c12272.64,91.51) 12301.16,91.51 ; 12686.98,136.85 ccw(c12658.47,136.85) 12678.63,157.01 cw(c12658.47,136.85) 12686.98,136.85 ; 12686.98,136.85 cw(c12715.5,136.85) 12695.34,157.01 ccw(c12715.5,136.85) 12686.98,136.85 ; 12746.04,91.51 ccw(c12774.55,91.51) 12754.39,71.35 cw(c12774.55,91.51) 12746.04,91.51 ; 12746.04,91.51 cw(c12717.52,91.51) 12737.69,71.35 ccw(c12717.52,91.51) 12746.04,91.51 ; 12988.17,1541.78 ccw(c12962.03,1541.78) 12980.51,1560.27 cw(c12962.03,1541.78) 12988.17,1541.78 ; 12988.17,1541.78 cw(c13014.3,1541.78) 12995.82,1560.27 ccw(c13014.3,1541.78) 12988.17,1541.78 ; v1@13484.76,1517.72 ccw(c13471.15,1525.58) 13486.32,1529.64 ; v1@13484.76,1517.72 ccw(c13471.15,1525.58) 13486.32,1529.64 ; v1@13484.76,1517.72 ccw(c13471.15,1525.58) 13486.32,1529.64 ; 13767.69,1541.78 ccw(c13741.55,1541.78) 13760.04,1560.27 cw(c13741.55,1541.78) 13767.69,1541.78 ; 13767.69,1541.78 cw(c13793.83,1541.78) 13775.35,1560.27 ccw(c13793.83,1541.78) 13767.69,1541.78 ; 13805.09,136.85 ccw(c13776.58,136.85) 13796.74,157.01 cw(c13776.58,136.85) 13805.09,136.85 ; 13805.09,136.85 cw(c13833.61,136.85) 13813.45,157.01 ccw(c13833.61,136.85) 13805.09,136.85 ; 13864.15,91.51 ccw(c13892.66,91.51) 13872.5,71.35 cw(c13892.66,91.51) 13864.15,91.51 ; 13864.15,91.51 cw(c13835.64,91.51) 13855.8,71.35 ccw(c13835.64,91.51) 13864.15,91.51 ; 14029.09,4315.66 ccw(c14007.71,4315.66) 14022.83,4330.78 cw(c14007.71,4315.66) 14029.09,4315.66 ; 14029.09,4315.66 cw(c14050.48,4315.66) 14035.36,4330.78 ccw(c14050.48,4315.66) 14029.09,4315.66 ; 14249.98,136.85 ccw(c14221.46,136.85) 14241.62,157.01 cw(c14221.46,136.85) 14249.98,136.85 ; 14249.98,136.85 cw(c14278.49,136.85) 14258.33,157.01 ccw(c14278.49,136.85) 14249.98,136.85 ; 14309.03,91.51 ccw(c14337.55,91.51) 14317.38,71.35 cw(c14337.55,91.51) 14309.03,91.51 ; 14309.03,91.51 cw(c14280.52,91.51) 14300.68,71.35 ccw(c14280.52,91.51) 14309.03,91.51 ; 14555.09,1541.78 ccw(c14528.96,1541.78) 14547.44,1560.27 cw(c14528.96,1541.78) 14555.09,1541.78 ; 14555.09,1541.78 cw(c14581.23,1541.78) 14562.75,1560.27 ccw(c14581.23,1541.78) 14555.09,1541.78 ; 15817.97,136.85 ccw(c15789.45,136.85) 15809.62,157.01 cw(c15789.45,136.85) 15817.97,136.85 ; 15817.97,136.85 cw(c15846.48,136.85) 15826.32,157.01 ccw(c15846.48,136.85) 15817.97,136.85 ; 15877.02,91.51 ccw(c15905.54,91.51) 15885.38,71.35 cw(c15905.54,91.51) 15877.02,91.51 ; 15877.02,91.51 cw(c15848.51,91.51) 15868.67,71.35 ccw(c15848.51,91.51) 15877.02,91.51 ; 16119.15,1541.78 ccw(c16093.01,1541.78) 16111.49,1560.27 cw(c16093.01,1541.78) 16119.15,1541.78 ; 16119.15,1541.78 cw(c16145.29,1541.78) 16126.81,1560.27 ccw(c16145.29,1541.78) 16119.15,1541.78 ; 16156.55,136.85 ccw(c16128.04,136.85) 16148.2,157.01 cw(c16128.04,136.85) 16156.55,136.85 ; 16156.55,136.85 cw(c16185.07,136.85) 16164.9,157.01 ccw(c16185.07,136.85) 16156.55,136.85 ; 16215.61,91.51 ccw(c16244.12,91.51) 16223.96,71.35 cw(c16244.12,91.51) 16215.61,91.51 ; 16215.61,91.51 cw(c16187.09,91.51) 16207.25,71.35 ccw(c16187.09,91.51) 16215.61,91.51 ; 16593.56,136.85 ccw(c16565.04,136.85) 16585.21,157.01 cw(c16565.04,136.85) 16593.56,136.85 ; 16593.56,136.85 cw(c16622.07,136.85) 16601.91,157.01 ccw(c16622.07,136.85) 16593.56,136.85 ; v1@16615.71,1517.72 ccw(c16599.03,1527.35) 16617.63,1532.34 ; v1@16615.71,1517.72 ccw(c16599.03,1527.35) 16617.63,1532.34 ; v1@16615.71,1517.72 ccw(c16599.03,1527.35) 16617.63,1532.34 ; 16652.61,91.51 ccw(c16681.13,91.51) 16660.97,71.35 cw(c16681.13,91.51) 16652.61,91.51 ; 16652.61,91.51 cw(c16624.1,91.51) 16644.26,71.35 ccw(c16624.1,91.51) 16652.61,91.51 ; 16898.67,1541.79 ccw(c16872.55,1541.79) 16891.02,1560.27 cw(c16872.55,1541.79) 16898.67,1541.79 ; 16898.67,1541.78 cw(c16924.82,1541.78) 16906.33,1560.27 ccw(c16924.82,1541.78) 16898.67,1541.78 ; 3297.26,125.68 cw(c3339.22,125.68) 3309.55,155.35 ccw(c3339.22,125.68) 3297.26,125.68 ; 3303.84,116.46 cw(c3303.84,93.51) 3320.07,109.74 ccw(c3303.84,93.51) 3303.84,116.46 ; 3314.98,1537.02 ccw(c3337.9,1537.02) 3321.69,1520.81 cw(c3337.9,1537.02) 